# Altium PCB Cubli_Control_Board.PcbDoc (part 2 of 2)
Units mil, origin at the board's own origin, x right, y up, seen from the top; angles counter-clockwise.
Board outline 2755.91 x 2755.91 mil, 4 copper layers (Top Layer, VCC, GND, Bottom Layer), stack 30.635 mil thick; 150 components, 118 nets, 570 pads, 427 vias.
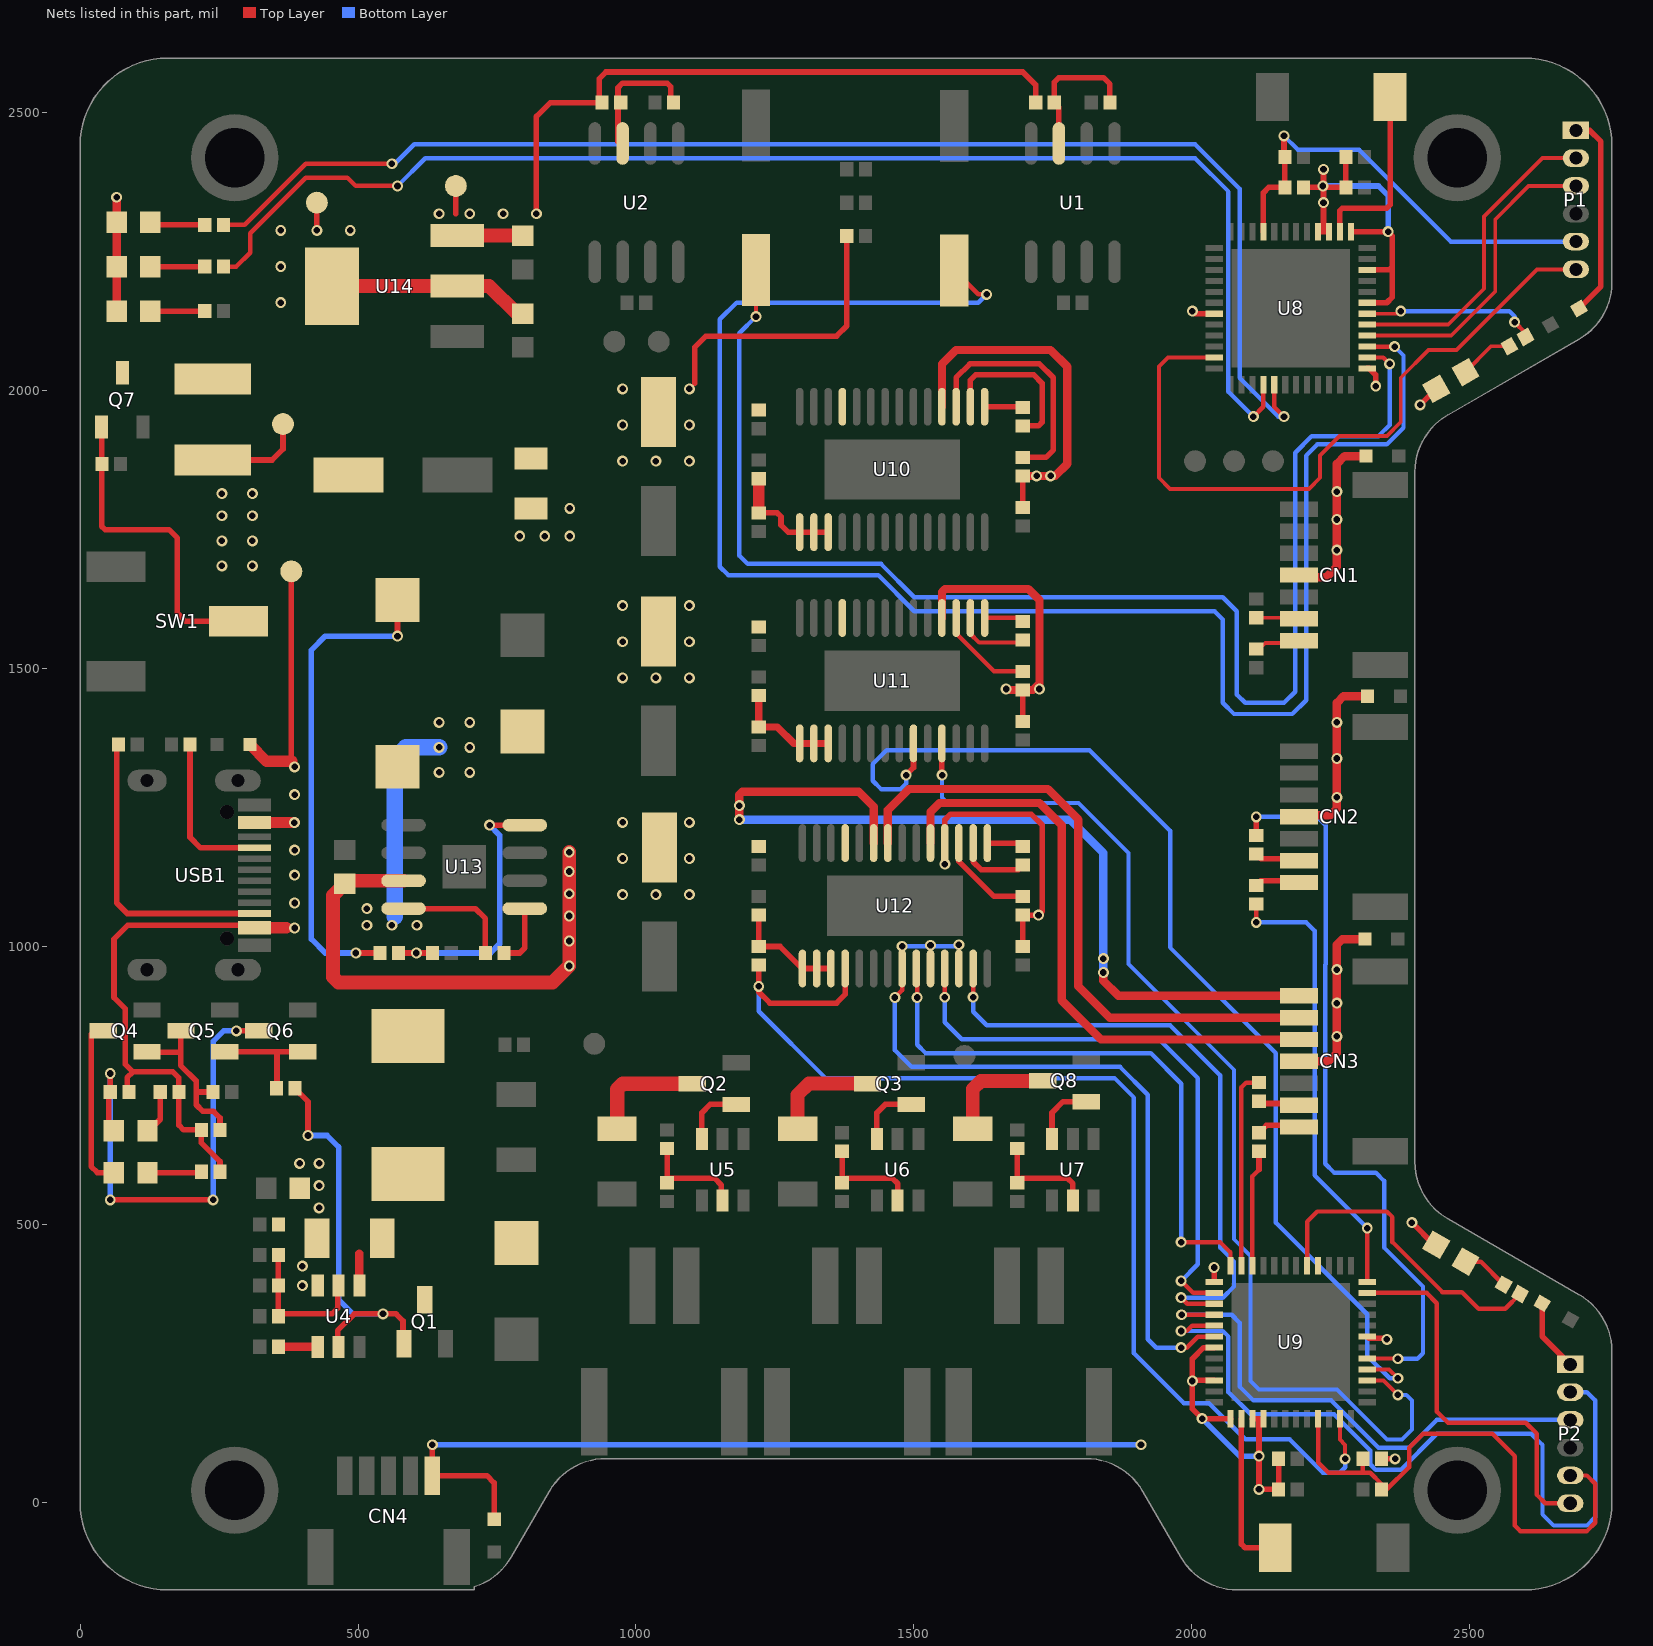
[diagram p4: the nets of this part, all layers, seen from the top]

## Via types
v1: diameter 19.68, hole 11.81, Top Layer to Bottom Layer, tented both sides, 307 vias
v2: diameter 23.62, hole 11.81, Top Layer to Bottom Layer, tented both sides, 98 vias
v3: diameter 24.02, hole 12, Top Layer to Bottom Layer, tented both sides, 18 vias
v4: diameter 24, hole 12, Top Layer to Bottom Layer, 4 vias

## Nets (pads, with @x,y where several pads share a name; then routed paths per layer and width w, separated by ;. In a path a pad name is that pad's centre, name@x,y a point inside that pad or via, vN(x,y) a via of type N, cw(c..) or ccw(c..) an arc to the next point about the centre after c; other vN are vias at no path point) (continued)
M2_PWM_IN2: U9.15 U11.25 | length 2004.1
  Top Layer w7: U9.15@2315.8,219.47 2344.89,219.47 v1(2371,193.36)
  Top Layer w10: U11.25@1550.57,1365.53 1550.57,1307.93 v1(1551,1308.36)
  Bottom Layer w7: v1(1551,1308.36) 1551,1268.36 1561,1258.36 1796,1258.36 1886,1168.36 1886,968.36 2076,778.36 2076,473.36 2106,443.36 2106,218.36 2121,203.36 2261,203.36 2351,113.36 2378.36,113.36 2396,131 2396,183.36 2386,193.36 v1(2371,193.36)
M2_PWM_IN3: U9.16 U11.23 | length 2008.9
  Top Layer w7: U9.16@2315.79,239.16 2355.2,239.16 v1(2371,223.36)
  Top Layer w10: v1(1486,1308.36) 1499.39,1321.75 U11.23@1499.39,1365.53
  Bottom Layer w8: v1(1486,1308.36) 1486,1293.36 1476,1283.36 1441,1283.36 1426,1298.36 1426,1328.36 1451,1353.36 1816,1353.36 1961,1208.36 1961,998.36 2151,808.36 2151,503.36 2316,338.36 2316,263.36 2356,223.36 v1(2371,223.36)
M2_SCL: R8.1 U9.17 | length 1336.2
  Top Layer w7: U9.17@2315.8,258.84 2370.52,258.84 v1(2371,258.36)
  Top Layer w10: R8.1@2116,1200.09 v1(2116,1233.36)
  Bottom Layer w8: v1(2116,1233.36) 2226,1233.36 2241,1218.36 2241,967.93 2240.09,967.02 2240.09,609.27 2256,593.36 2331,593.36 2346,578.36 2346,458.36 2416,388.36 2416,268.36 2406,258.36 v1(2371,258.36)
M2_SDA: R7.1 U9.24 | length 815.5
  Top Layer w8: v1(2116,1043.36) R7.1@2116,1076.63 ; U9.24@2315.79,396.64 v1(2315.79,493.36)
  Bottom Layer w8: v1(2116,1043.36) 2206,1043.36 2221,1028.36 2221,588.36 2315.79,493.57 v1(2315.79,493.36)
M3_FAULT: R41.1 U9.11 U12.18 | length 2073.6
  Top Layer w7: U9.11@2266.58,150.56 2266.58,112.78 2276,103.36 v1(2276,78.36)
  Top Layer w10: R41.1@1221,966.63 1221,918.36 1241,898.36 1361,898.36 1376.43,913.79 U12.18@1376.43,960.53
  Bottom Layer w8: v1(1221,928.36) 1221,883.36 1341,763.36 1861,763.36 1896,728.36 1896,268.36 1986,178.36 2031,178.36 2096,113.36 2176,113.36 2236,53.36 2266,53.36 2276,63.36 v1(2276,78.36)
M3_POUT_A1: CN3.5 U12.5 | length 1086.6
  Top Layer w15: U12.5@1529.98,1186.18 1529.98,1242.34 1546,1258.36 1726,1258.36 1766,1218.36 1766,903.36 1836.64,832.72 CN3.5@2192.96,832.72
M3_POUT_A2: CN3.6 U12.8 | length 1160.9
  Top Layer w15: U12.8@1453.2,1186.18 1453.2,1245.57 1491,1283.36 1741,1283.36 1796,1228.36 1796,928.36 1852.27,872.09 CN3.6@2192.96,872.09
M3_POUT_A3: CN3.7 U12.9 | length 1638.2
  Top Layer w15: v1(1186,1228.36) v1(1186,1253.36) 1186,1273.36 1191,1278.36 1401,1278.36 1427.61,1251.75 U12.9@1427.61,1186.18 ; v1(1841,953.36) 1841,938.36 1867.9,911.46 CN3.7@2192.96,911.46
  Bottom Layer w15: v1(1186,1228.36) 1781,1228.36 1841,1168.36 v1(1841,978.36) v1(1841,953.36)
M3_PWM_EN: U9.42 U12.22 U12.24 U12.26 | length 1354
  Top Layer w8: v1(1466,908.36) 1478.8,921.16 U12.22@1478.8,960.53 v1(1478.8,1000.57) ; v1(1981,278.36) 1991,278.36 2010.84,298.21 U9.42@2040.21,298.21
  Bottom Layer w8: v1(1466,908.36) 1466,813.36 1496,783.36 1871,783.36 1921,733.36 1921,293.36 1936,278.36 v1(1981,278.36) ; v1(1478.8,1000.57) v1@1578.52,1000.57
  other v1: 1529.98,1002.34 1581.16,1003.2
M3_PWM_IN1: U9.39 U12.27 | length 1126.9
  Top Layer w8: v1(1606.75,909.11) U12.27@1606.75,960.53 ; v1(1981,368.36) 1992.09,357.27 U9.39@2040.2,357.27
  Bottom Layer w8: v1(1606.75,909.11) 1606.75,882.61 1631,858.36 1961,858.36 2051,768.36 2051,458.36 2076,433.36 2076,388.36 2056,368.36 v1(1981,368.36)
M3_PWM_IN2: U9.38 U12.25 | length 1039.3
  Top Layer w8: v1(1555.57,908.79) U12.25@1555.57,960.53 ; v1(1981,398.36) 2002.42,376.95 U9.38@2040.21,376.95
  Bottom Layer w8: v1(1555.57,908.79) 1555.57,863.79 1586,833.36 1941,833.36 2011,763.36 2011,428.36 v1(1981,398.36)
M3_PWM_IN3: U9.36 U12.23 | length 1046.8
  Top Layer w8: U12.23@1504.39,960.53 1506,958.92 v1(1506,908.36) ; v1(1981,468.36) 2051,468.36 2069.73,449.63 U9.36@2069.73,426.15
  Bottom Layer w8: v1(1506,908.36) 1506,823.36 1521,808.36 1926,808.36 1981,753.36 v1(1981,468.36)
M3_SCL: R10.1 U9.35 | length 355.6
  Top Layer w8: U9.35@2089.42,426.15 2089.42,746.78 2097.73,755.09 R10.1@2121,755.09
M3_SDA: R9.1 U9.34 | length 210.4
  Top Layer w8: U9.34@2109.1,426.15 2109.1,586.46 2121,598.36
  Top Layer w10: 2121,598.36 R9.1@2121,631.63
MCU1_EN: C20.2 P1.5 R31.2 U8.9 | length 817.5
  Top Layer w10: U8.9@2128.79,2286.16 2128.79,2356.15 2138.36,2365.72 R31.2@2167.46,2365.72 C20.2@2167.46,2420.72 ; C20.2@2166,2422.18 v1(2166,2458.36)
  Bottom Layer w8: v1(2166,2458.36) 2191,2433.36 2301,2433.36 2466,2268.36 P1.5@2691,2268.36 P1.5@2701,2268.36
MCU1_IO0: P1.6 U8.23 | length 1308.2
  Top Layer w7: U8.23@2040.21,2059.77 1957.41,2059.77 1941,2043.36 1941,1843.36 1961,1823.36 2211,1823.36 2231,1843.36 2231,1883.36 2266,1918.36 2351,1918.36 2376,1943.36 2376,2023.36 2426,2073.36 2476,2073.36 2621,2218.36 P1.6@2701,2218.36
MCU1_IO9: R33.2 U8.28 | length 2435
  Top Layer w8: R33.2@257.73,2223.36 281,2223.36 306,2248.36 306,2283.36 406,2383.36 481,2383.36 496,2368.36 v1(571,2368.36) ; v1(2111,1953.36) 2128.8,1971.16 U8.28@2128.8,2010.57
  Bottom Layer w8: v1(571,2368.36) 621,2418.36 2006,2418.36 2066,2358.36 2066,1998.36 v1(2111,1953.36)
MCU1_IO10: R32.2 U8.29 | length 2434.9
  Top Layer w8: R32.2@257.73,2298.36 296,2298.36 406,2408.36 521,2408.36 v1(561,2408.36) ; U8.29@2148.47,2010.57 2148.47,1970.89 v1(2166,1953.36)
  Bottom Layer w8: v1(561,2408.36) 566,2408.36 601,2443.36 2006,2443.36 2086,2363.36 2086,2023.36 2156,1953.36 v1(2166,1953.36)
MCU1_IO21: R34.2 U8.42 | length 313.9
  Top Layer w7: U8.42@2315.8,2138.52 v1@2375.84,2138.52
  Top Layer w8: v1(2581,2123.36) 2600.49,2103.87 R34.2@2600.49,2096.73
  Bottom Layer w8: v1(2376,2143.36) 2571,2143.36 2581,2133.36 v1(2581,2123.36)
MCU1_RXD: P1.3 U8.40 | length 572.9
  Top Layer w7: U8.40@2315.8,2099.15 2466.79,2099.15 2546,2178.36 2546,2308.36 2606,2368.36 P1.3@2701,2368.36
MCU1_SW1: SW2.1 U8.39 | length 3120
  Top Layer w8: SW2.1@1573,2216.44 1616.08,2173.36 v1(1631,2173.36) ; U8.39@2315.8,2079.46 v1(2364.91,2079.46)
  Bottom Layer w8: v1(1631,2173.36) 1616,2158.36 1181,2158.36 1151,2128.36 1151,1683.36 1166,1668.36 1436,1668.36 1501,1603.36 2041,1603.36 2056,1588.36 2056,1438.36 2076,1418.36 2181,1418.36 2206,1443.36 2206,1883.36 2226,1903.36 2351,1903.36 2381,1933.36 2381,2063.36 v1(2364.91,2079.46)
MCU1_SW2: SW3.1 U8.38 | length 2508.1
  Top Layer w8: v1(1216,2133.36) SW3.1@1216,2217.44 ; U8.38@2315.8,2059.78 2344.59,2059.78 v1(2356,2048.36)
  Bottom Layer w8: v1(1216,2133.36) 1186,2103.36 1186,1703.36 1201,1688.36 1441,1688.36 1501,1628.36 2056,1628.36 2081,1603.36 2081,1453.36 2096,1438.36 2166,1438.36 2186,1458.36 2186,1888.36 2216,1918.36 2336,1918.36 2356,1938.36 v1(2356,2048.36)
MCU1_TXD: P1.2 U8.41 | length 585.4
  Top Layer w7: U8.41@2315.8,2118.83 2461.46,2118.83 2526,2183.36 2526,2313.36 2631,2418.36 P1.2@2701,2418.36
MCU2_EN: C24.2 P2.5 R37.2 U9.9 | length 961
  Top Layer w8: U9.9@2227.21,150.56 2227.21,72.15 2246,53.36 2321,53.36 2341.47,32.89 C24.2@2341.47,23.36 2351,23.36 2391,63.36 2391,98.36 2416,123.36 2541,123.36 2581,83.36 2581,-41.64 2591,-51.64 2711,-51.64 2726,-36.64 2726,33.36 2711,48.36 P2.5@2681,48.36 ; 2308,55.37 R37.2@2308,78.36
MCU2_IO0: P2.6 U9.23 | length 700.7
  Top Layer w8: U9.23@2315.8,376.95 2422.41,376.95 2441,358.36 2441,163.36 2461,143.36 2601,143.36 2621,123.36 2621,13.36 2636,-1.64 P2.6@2681,-1.64
MCU2_IO9: U9.28
MCU2_IO10: R38.2 U9.29 | length 579.2
  Top Layer w8: U9.29@2207.53,426.15 2207.53,504.89 2226,523.36 2351,523.36 2361,513.36 2361,468.36 2451,378.36 2486,378.36 2516,348.36 2563.86,348.36 R38.2@2590.49,374.99
MCU2_RXD: P2.3 U9.40 | length 944.8
  Top Layer w8: v1(1981.79,337.58) U9.40@2040.21,337.58
  Bottom Layer w8: v1(1981.79,337.58) 2071.79,337.58 2086,323.36 2086,208.36 2111,183.36 2251,183.36 2336,98.36 2391,98.36 2441,148.36 P2.3@2681,148.36
MCU2_TXD: P2.2 U9.41 | length 1420.8
  Top Layer w8: v1(1981,308.36) 1991,308.36 2000.54,317.9 U9.41@2040.2,317.9
  Bottom Layer w8: v1(1981,308.36) 2056,308.36 2066,298.36 2066,198.36 2106,158.36 2256,158.36 2321,93.36 2321,68.36 2331,58.36 2376,58.36 2441,123.36 2611,123.36 2631,103.36 2631,-21.64 2651,-41.64 2711,-41.64 2726,-26.64 2726,183.36 2711,198.36 P2.2@2681,198.36
NetC11_2: C11.2 R16.1 R19.2 U4.2 | length 246.9
  Top Layer w10: C11.2@356.73,335 R16.1@356.73,445 ; C11.2@360.73,339 453.36,339 463.35,348.99 U4.2@463.35,379.12
NetC12_2: C12.2 U4.4 | length 70.7
  Top Layer w15: C12.2@356.73,280 U4.4@427.47,280
NetC13_2: C13.2 R18.1 U5.2 | length 192.9
  Top Layer w10: R18.1@1056,575.09 C13.2@1056,636.63 ; R18.1@1056,583.36 1141.01,583.36 1153.58,570.8 1153.58,545.67 U5.2@1156.01,543.24
NetC14_1: C14.1 D5.K Q6.3 | length 886.5
  Top Layer w10: D5.K@51.27,675.78 C14.1@51.27,741.36 ; v1(54.27,544.27) v1(239.27,544.27) ; C14.1@54.27,738.36 v1(54.27,771.63) ; v1(281,848.36) Q6.3@321.63,848.36
  Bottom Layer w10: v1(54.27,544.27) v1(54.27,771.63) ; v1(239.27,544.27) 239.27,829.27 258.36,848.36 v1(281,848.36)
NetC15_2: C15.2 Q4.1 Q5.3 R23.1 | length 305.1
  Top Layer w10: Q4.1@119.37,809.96 181,809.96 ; Q5.3@181,847.73 181,809.96 ; 214,738.36 C15.2@239.27,738.36 ; R23.1@251.73,670 251.73,691.63 240,703.36 221,703.36 209,715.36 209,758.36 181,786.36 181,809.96
NetC16_2: C16.2 R24.1 U6.2 | length 194.2
  Top Layer w10: C16.2@1371,631.63 R24.1@1371,575.09 1379.27,583.36 1461,583.36 1471.01,573.35 U6.2@1471.01,543.24
NetC17_2: C17.2 R27.1 U7.2 | length 187.5
  Top Layer w10: R27.1@1686,575.09 C17.2@1686,636.63 ; R27.1@1694.27,583.36 1776,583.36 1786.01,573.35 U7.2@1786.01,543.24
NetC25_1: C25.1 U10.2 | length 295
  Top Layer w10: U10.2@1601.75,1971.18 1601.75,2019.11 1611,2028.36 1716,2028.36 1731,2013.36 1731,1943.36 1724.27,1936.63 C25.1@1696,1936.63
NetC25_2: C25.2 U10.1 | length 67.6
  Top Layer w10: U10.1@1627.34,1971.18 C25.2@1694.91,1971.18
NetC26_2: C26.2 U10.3 | length 438.3
  Top Layer w10: U10.3@1576.16,1971.18 1576.16,2023.52 1601,2048.36 1726,2048.36 1751,2023.36 1751,1893.36 1737.73,1880.09 C26.2@1696,1880.09
NetC30_2: C30.2 R39.2 U10.15 U10.16 U10.17 | length 209.5
  Top Layer w10: R39.2@1221,1780.09 1254.27,1780.09 1261,1773.36 1261,1758.36 1273.83,1745.53 U10.15@1294.66,1745.53 U10.16@1320.25,1745.53 U10.17@1345.84,1745.53
  Top Layer w20: R39.2@1221,1780.09 C30.2@1221,1841.63
NetC31_1: C31.1 U11.2 | length 131.2
  Top Layer w8: U11.2@1601.75,1591.18 1601.75,1562.61 1617.33,1547.03 1691.4,1547.03 C31.1@1696,1551.63
NetC31_2: C31.2 U11.1 | length 62.6
  Top Layer w8: U11.1@1627.34,1591.18 C31.2@1689.91,1591.18
NetC32_2: C32.2 U11.3 | length 176
  Top Layer w8: U11.3@1576.16,1591.18 1576.16,1563.2 1644.27,1495.09 C32.2@1696,1495.09
NetC36_2: C36.2 R40.2 U11.15 U11.16 U11.17 | length 193.6
  Top Layer w13: C36.2@1221,1451.63 R40.2@1221,1395.09 1254.27,1395.09 1283.83,1365.53 U11.15@1294.66,1365.53 U11.16@1320.25,1365.53 U11.17@1345.84,1365.53
NetC37_1: C37.1 U12.2 | length 132.1
  Top Layer w10: U12.2@1606.75,1186.18 1606.75,1152.61 1621,1138.36 1687.73,1138.36 C37.1@1696,1146.63
NetC37_2: C37.2 U12.1 | length 57.6
  Top Layer w10: U12.1@1632.34,1186.18 C37.2@1689.91,1186.18
NetC38_2: C38.2 U12.3 | length 174
  Top Layer w10: U12.3@1581.16,1186.18 1581.16,1153.2 1644.27,1090.09 C38.2@1696,1090.09
NetC42_2: C42.2 R41.2 U12.15 U12.16 U12.17 | length 202.8
  Top Layer w10: C42.2@1221,1056.63 R41.2@1221,1000.09 1259.27,1000.09 1298.83,960.53 U12.15@1299.66,960.53 U12.16@1325.25,960.53 U12.17@1350.84,960.53
NetC43_1: C43.1 U13.1 | length 112
  Top Layer w10: C43.1@762.73,988.36 791,988.36 800.02,997.38 U13.1@800.02,1068.36
NetC43_2: C43.2 D14.1 L4.1 U13.8 | length 589.9
  Top Layer w10: U13.8@581.98,1068.36 711,1068.36 729.27,1050.09 C43.2@729.27,988.36
  Bottom Layer w30: 566,1053.36 566,1338.36 586,1358.36 v1(646,1358.36)
  other v1: 516,1038.36 561,1038.36 606,1038.36 516,1068.36 646,1313.36 701,1313.36 701,1358.36 646,1403.36 701,1403.36
NetC45_1: C45.1 F2.1 L4.2 R42.2 | length 884
  Top Layer w10: v1(496,988.36) R42.2@539.27,988.36 ; v1(571,1558.36) L4.2@571,1623.36
  Bottom Layer w10: v1(496,988.36) 441,988.36 416,1013.36 416,1533.36 441,1558.36 v1(571,1558.36)
NetCN1_1: CN1.1 R5.2 | length 80.6
  Top Layer w7: R5.2@2121,1535.09 2132.15,1546.24 CN1.1@2196.96,1546.24
NetCN1_2: CN1.2 R6.2 | length 69.9
  Top Layer w7: R6.2@2121,1591.63 CN1.2@2190.95,1591.63
NetCN2_1: CN2.1 R7.2 | length 84.3
  Top Layer w10: R7.2@2116,1110.09 2124.15,1118.24 CN2.1@2196.96,1118.24
NetCN2_2: CN2.2 R8.2 | length 84.7
  Top Layer w10: R8.2@2116,1166.63 2125.02,1157.61 CN2.2@2196.96,1157.61
NetCN3_1: CN3.1 R9.2 | length 81.4
  Top Layer w10: R9.2@2121,665.09 2134.15,678.24 CN3.1@2196.96,678.24
NetCN3_2: CN3.2 R10.2 | length 77.6
  Top Layer w10: R10.2@2121,721.63 2125.02,717.61 CN3.2@2196.96,717.61
NetD4_2: D4.2@785,466.62 L1.2 Q1.3
NetD5_A: D5.A R22.2 | length 83.5
  Top Layer w10: D5.A@121.32,666.36 144.27,689.31 R22.2@144.27,740.36
NetD6_A: D6.A R20.1 | length 101
  Top Layer w10: D6.A@124.32,593.36 R20.1@225.27,593.36
NetD6_K: D6.K Q4.3 | length 286.2
  Top Layer w10: Q4.3@20,842.36 20,604.36 31,593.36 D6.K@63.69,593.36
NetD9_K: D9.K R32.1 | length 93
  Top Layer w10: D9.K@131.31,2298.36 R32.1@224.27,2298.36
NetD10_K: D10.K R33.1 | length 98
  Top Layer w10: D10.K@126.31,2223.36 R33.1@224.27,2223.36
NetD11_K: D11.K R34.1 | length 98.5
  Top Layer w7: D11.K@2492.25,2033.52 2538.73,2079.99 R34.1@2571.51,2079.99
NetD13_K: D13.K R38.1 | length 86.4
  Top Layer w8: D13.K@2492.25,433.2 2520.03,433.2 R38.1@2561.51,391.73
NetD15_K: D15.K R44.2 | length 98
  Top Layer w10: D15.K@126.31,2143.36 R44.2@224.27,2143.36
NetF1_2: F1.2 Q7.3
NetL1_1: L1.1 R17.2 U4.1 | length 57.5
  Top Layer w15: U4.1@502.39,390.12 502.39,447.61
NetL2_1: L2.1 U8.2 | length 326.5
  Top Layer w10: U8.2@2266.58,2286.16 2266.58,2323.94 2271,2328.36 2351,2328.36 2356.91,2334.27 L2.1@2356.91,2528.36
NetL3_1: L3.1 U9.2 | length 289
  Top Layer w10: U9.2@2089.42,150.56 2089.42,-75.06 2096,-81.64 L3.1@2150.09,-81.64
NetQ1_1: Q1.1 R25.2 U4.5 | length 740.9
  Top Layer w10: R25.2@386,745.09 410,721.09 v1(410,660) ; U4.5@463.35,268.88 463.35,308.99 493.36,339 v1(545,339) 568.36,339 580.96,326.4 Q1.1@580.96,284.63
  Bottom Layer w10: v1(410,660) 444.36,660 465,639.36 465,365 491,339 v1(545,339)
NetQ2_1: Q2.1 U5.6 | length 115.5
  Top Layer w10: U5.6@1118.61,653.48 1118.61,700.97 1133.6,715.96 Q2.1@1180.37,715.96
NetQ2_3: Q2.3 R15.1 | length 211.1
  Top Layer w26: R15.1@966,672.02 966,743.36 976,753.36 Q2.3@1101.63,753.36
NetQ3_1: Q3.1 U6.6 | length 115.5
  Top Layer w10: U6.6@1433.61,653.48 1433.61,700.97 1448.6,715.96 Q3.1@1495.37,715.96
NetQ3_3: Q3.3 R21.1 | length 195.3
  Top Layer w25: R21.1@1291,672.02 1291,733.36 1311,753.36 Q3.3@1416.63,753.36
NetQ5_1: Q5.1 Q6.1 R25.1 | length 208.3
  Top Layer w10: Q5.1@260.37,810.96 Q6.1@399.37,810.96 ; R25.1@354.27,738.36 354.27,807.69
NetQ7_1: Q7.1 R30.1 SW1.2 | length 574.1
  Top Layer w10: Q7.1@39.27,1934.07 R30.1@39.27,1868.36 39.27,1755.73 45,1750 160,1750 175,1735 175,1600 190,1585 SW1.2@285.24,1585
NetQ8_1: Q8.1 U7.6 | length 117.5
  Top Layer w10: U7.6@1748.61,653.48 1748.61,700.97 1768.6,720.96 Q8.1@1810.37,720.96
NetQ8_3: Q8.3 R26.1 | length 203.2
  Top Layer w25: R26.1@1606,672.02 1606,743.36 1621,758.36 Q8.3@1731.63,758.36
NetR28_1: R28.1 USB1.A5 | length 290.4
  Top Layer w10: R28.1@197.73,1363.36 197.73,1196.63 216.79,1177.57 USB1.A5@313.51,1177.57
NetR29_1: R29.1 USB1.B5 | length 535.3
  Top Layer w10: R29.1@66,1358.36 66,1078.36 84.9,1059.46 USB1.B5@313.51,1059.46
NetR42_1: R42.1 R43.2 U13.4 | length 502.8
  Top Layer w10: R42.1@567.73,988.36 R42.1@572.73,988.36 v1(605,988.36) R43.2@629.27,988.36 ; v1(736.64,1218.36) U13.4@800.02,1218.36
  Bottom Layer w10: v1(605,988.36) 738.36,988.36 755,1005 755,1200 v1(736.64,1218.36)
USB_VBUS: C9.2 C10.2 C14.2 D7.2 R17.1 R20.2 R22.1 R23.2 TP4.1 U4.3 USB1.A4B9 USB1.B4A9 | length 1421.5
  Top Layer w10: C14.2@84.73,741.36 84.73,764.09 95,774.36 ; R20.2@251.73,595 251.73,613.27 218.27,646.73 R23.2@218.27,670 186.36,670 177.73,678.63 R22.1@177.73,738.36 177.73,763.63 167,774.36 95,774.36 ; USB1.B4A9@313.51,1033.87 313.51,1038.44 86.08,1038.44 61,1013.36 61,908.36 81,888.36 81,788.36 95,774.36 ; 380,1334.36 TP4.1@380,1675
  Top Layer w20: D7.2@305.53,1363.36 335.53,1333.36 381,1333.36 ; USB1.B4A9@313.51,1033.87 371.51,1033.87 ; USB1.A4B9@313.51,1222.85 v1(385.49,1222.85)
  other v1: 400,390 400,425 430,530 430,570 395,610 430,610 386,1033.36 386,1078.36 386,1128.36 386,1173.36 386,1273.36 386,1323.36
VCC_3V3: C18.2 C19.2 C22.2 C23.2 C47.2 CN1.4 CN2.4 CN3.4 CN4.5 D1.1 D2.1 D3.1 D4.1@745,-30.47 D8.2 D9.A D10.A D11.A D12.2 D13.A D15.A P1.1 P2.1 R31.1 R37.1 TP20.1 U8.1 U8.3 U8.4 U8.19 U8.37 U8.43 U8.46 U9.1 U9.3 U9.4 U9.19 U9.37 U9.43 U9.46 U14.2 U14.4 | length 5264.1
  Top Layer w10: v1(426,2288.36) TP20.1@426,2338.36 ; v1(633.72,103.72) CN4.5@633.72,48.03 731.97,48.03 745,35 D4.1@745,-30.47 ; v1@2006.15,2138.51 U8.19@2040.21,2138.51 ; U9.46@2040.21,219.47 2004.89,219.47 v1@2001,223.36 ; U9.43@2040.2,278.53 2021.17,278.53 2001,258.36 v1@2001,223.36 ; U9.37@2040.2,396.64 v1(2040.2,422.56) ; U9.1@2069.73,150.56 v1(2018.8,150.56) 2001,168.36 v1@2001,223.36 ; U9.3@2109.1,150.56 2121,150.56 v1(2121,83.36) v1(2121,23.36) C23.2@2156.27,23.36 C22.2@2156.27,78.36 ; R31.1@2200.92,2365.72 v1@2237.06,2365.72 ; U8.4@2227.21,2286.16 2237.06,2286.16 ; v1(2237.06,2398.36) v1@2237.06,2365.72 ; U8.3@2246.9,2286.16 2237.06,2286.16 ; C19.2@2277.46,2420.72 C18.2@2277.46,2365.72 v1@2237.06,2365.72 ; U8.1@2286.27,2286.16 v1(2353.2,2286.16) 2361,2278.36 2361,2223.36 ; U9.19@2315.8,298.21 2318.9,295.1 2349.26,295.1 v1(2351,293.36) ; U8.37@2315.8,2040.09 2319.28,2040.09 2331,2028.36 v1(2331,2008.36) ; U8.43@2315.8,2158.2 2350.84,2158.2 2361,2168.36 2361,2223.36 ; U8.46@2315.8,2217.26 2354.89,2217.26 2361,2223.36 ; R37.1@2341.47,78.36 v1(2366,78.36) ; v1(2396,503.36) 2435.84,463.52 D13.A@2439.75,463.52 ; v1(2411,1974.46) D11.A@2439.75,2003.2 ; D12.2@2630.43,358.12 2630.43,298.93 P2.1@2681,248.36 ; P1.1@2691,2468.36 2716,2468.36 2736,2448.36 2736,2187.55 D8.2@2696.57,2148.12 ; 2237.06,2286.16 v1(2237.06,2338.36) v1@2237.06,2365.72
  Top Layer w15: D15.A@65.68,2143.36 D10.A@65.68,2223.36 D9.A@65.68,2303.36 v1(65.68,2348.05) ; CN3.4@2192.96,793.35 2245.99,793.35 2261,808.36 2261,1003.36 2271,1013.36 D3.1@2311.47,1013.36 ; CN2.4@2196.96,1236.35 2248.99,1236.35 2261,1248.36 2261,1438.36 2273,1450.36 D2.1@2316.47,1450.36 ; CN1.4@2196.96,1664.35 2241.99,1664.35 2261,1683.36 2261,1868.36 2275,1882.36 D1.1@2313.47,1882.36
  Top Layer w25: U14.4@453.5,2188.36 U14.2@678.5,2188.36 736,2188.36 785.68,2138.68 C47.2@796,2138.68
  Bottom Layer w10: v1(633.72,103.72) v1(1908.72,103.72) ; v1(2018.8,150.56) 2086,83.36 v1(2121,83.36) v1(2121,23.36) ; v1(2236,2368.36) 2336,2368.36 2353.2,2351.16 v1(2353.2,2286.16)
  other v1: 2001,218.36 2261,838.36 2261,898.36 2261,958.36 2261,1268.36 2261,1338.36 2261,1403.36 2261,1713.36 2261,1768.36 2261,1818.36 2001,2143.36 361,2158.36 361,2223.36 361,2288.36 486,2288.36
VCC_5V: C46.2 F2.2 R1.1 R3.1 TP19.1 U14.3 | length 1330.4
  Top Layer w10: 676,2318.36 TP19.1@676,2368.36 ; 821,2328.36 821,2493.36 846,2518.36 934.27,2518.36 934.27,2561.63 946,2573.36 1696,2573.36 1719.27,2550.09 R1.1@1719.27,2518.36
  Top Layer w25: U14.3@678.5,2278.91 C46.2@795.76,2278.91
  other v1: 791,1738.36 836,1738.36 881,1738.36 881,1788.36 646,2318.36 701,2318.36 761,2318.36 821,2318.36
VCC_12V: C26.1 C27.2 C28.1 C29.2 C32.1 C33.2 C34.1 C35.2 C38.1 C39.2 C40.1 C41.2 C44.1 F1.1 R35.2 TP18.1 U10.4 U10.11 U11.4 U11.11 U12.4 U12.11 U13.7 | length 3296.6
  Top Layer w10: F1.1@239,1875.39 345.39,1875.39 365,1895 TP18.1@365,1940 ; 1106,2013.36 1106,2078.36 1126,2098.36 1361,2098.36 1379.27,2116.63 R35.2@1379.27,2278.36 ; v1(1556,1148.36) 1555.57,1148.79 U12.4@1555.57,1186.18 1555.57,1227.93 1566,1238.36 1711,1238.36 1731,1218.36 1731,1063.36 v1(1724.27,1056.63) C38.1@1696,1056.63 C39.2@1696,1000.09 ; C33.2@1696,1405.09 C32.1@1696,1461.63 ; C27.2@1696,1785.09 C27.2@1696,1790.09 C26.1@1696,1846.63
  Top Layer w15: U11.4@1550.57,1591.18 1550.57,1637.93 1556,1643.36 1706,1643.36 1726,1623.36 1726,1473.36 1714.27,1461.63 C32.1@1696,1461.63 v1@1667.73,1461.63 ; U10.4@1550.57,1971.18 1550.57,2047.93 1576,2073.36 1746,2073.36 1776,2043.36 1776,1868.36 1754.27,1846.63 C26.1@1696,1846.63
  Top Layer w25: U13.7@581.98,1118.36 481.32,1118.36 C44.1@476,1113.05 455,1092.05 455,945 465,935 850,935 v1(880,965) v1(880,1170)
  other v1: 880,1010 880,1055 976,1093.36 1036,1093.36 1096,1093.36 880,1095 880,1135 976,1158.36 1096,1158.36 976,1223.36 1096,1223.36 1666,1463.36 1726,1463.36 976,1483.36 1036,1483.36 1096,1483.36 976,1548.36 1096,1548.36 976,1613.36 1096,1613.36 255,1685 310,1685 255,1730 310,1730 255,1775 310,1775 255,1815 310,1815 1721,1846.63 1746,1846.63 976,1873.36 1036,1873.36 1096,1873.36 976,1938.36 1096,1938.36 976,2003.36 1096,2003.36
VCC_CAN1: C1.2 R1.2 U1.3 | length 243.5
  Top Layer w10: R1.2@1752.73,2518.36 1752.73,2555.09 1761,2563.36 1841,2563.36 1852.73,2551.63 C1.2@1852.73,2518.36 ; U1.3@1761,2444.86 R1.2@1761,2510.09
VCC_CAN2: C2.2 R3.2 U2.3 | length 238.1
  Top Layer w10: U2.3@976,2439.86 967.73,2448.13 967.73,2518.36 967.73,2545.09 976,2553.36 1056,2553.36 1062.73,2546.63 C2.2@1062.73,2518.36
pads on no net: L2.2 L3.2 PH1.0 PH2.0 PH3.0 SW1.3 U1.5 U2.5 U5.1 U5.4 U5.5 U6.1 U6.4 U6.5 U7.1 U7.4 U7.5 U8.6 U8.7 U8.8 U8.11 U8.12 U8.18 U8.22 U8.25 U8.26 U8.27 U8.30 U8.31 U8.32 U8.33 U8.44 U8.45 U8.47 U8.48 U9.5 U9.6 U9.7 U9.8 U9.12 U9.18 U9.22 U9.25 U9.26 U9.27 U9.30 U9.31 U9.32 U9.33 U9.44 U9.45 U9.47 U9.48 U13.2 U13.3 U13.5 USB1. USB1.A6 USB1.A7 USB1.A8 USB1.B6 USB1.B7 USB1.B8

## Polygon pours and split planes (outlines as drawn)
GND on Top Layer "Top Overlay-No Net" (solid, remove dead copper, pour order 4): -60,2660 -60,-160 -30,-190 5,-225 2640,-225 2695,-225 2860,-60 2810,-10 2810,2600 2790,2600 2715,2675 2695,2655 -70,2655
GND on Bottom Layer "Top Overlay-No Net" (solid, remove dead copper, pour order 6): -100,2680 -100,-80 -65,-115 85,-265 645,-265 2790,-265 2885,-170 2910,-145 2910,2340 2910,2575 2805,2680 2800,2675 -95,2675
VCC_12V on VCC (split plane): 1783.45,2047.3 1783.45,654.42 1729.94,600.91 1202.06,600.91 597.55,1205.42 597.55,1440 597.36,1440.98 596.8,1441.8 496.8,1541.8 495.98,1542.36 495,1542.55 216.06,1542.55 202.55,1556.06 202.55,1992.45 573.45,1992.45 573.45,1719 573.64,1718.02 574.2,1717.2 609.84,1681.56 610.66,1681.01 611.64,1680.81 886,1680.81 886.98,1681.01 887.8,1681.56 937.8,1731.56 938.36,1732.38 938.55,1733.36 938.55,2077.3 987.06,2125.81 1704.94,2125.81
VCC_5V on VCC (split plane): 983.45,2337.3 983.45,2129.42 934.2,2080.16 933.64,2079.34 933.45,2078.36 933.45,1734.42 884.94,1685.91 612.7,1685.91 578.55,1720.06 578.55,2332.3 617.06,2370.81 949.94,2370.81
BAT3+ on VCC (split plane): 197.45,1555 197.64,1554.02 198.2,1553.2 213.2,1538.2 214.02,1537.64 215,1537.45 493.94,1537.45 592.45,1438.94 592.45,1205.84 592.33,1205.66 592.13,1204.68 592.33,1203.7 592.88,1202.88 1198.45,597.3 1198.45,98.84 946.14,98.84 946.01,98.82 936.29,98.48 926.48,97.42 916.77,95.67 907.21,93.23 897.85,90.11 888.73,86.34 879.91,81.92 871.43,76.89 863.33,71.26 855.64,65.07 848.42,58.35 841.7,51.13 835.51,43.45 829.88,35.35 827.4,31.16 827.15,30.85 826.84,30.27 826.45,29.73 758.26,-88.38 758,-88.96 753.74,-95.64 748.53,-102.43 742.75,-108.74 736.44,-114.52 729.65,-119.73 722.43,-124.33 714.84,-128.28 706.93,-131.56 703.04,-132.79 703.07,-132.88 701.43,-133.38 697.96,-135.23 695.34,-137.38 692.55,-137.38 692.55,505 692.36,505.98 691.8,506.8 427.55,771.06 427.55,1395 427.36,1395.98 426.8,1396.8 396.8,1426.8 395.98,1427.36 395,1427.55 20.1,1427.55 20.1,1992.45 197.45,1992.45
USB_VBUS on VCC (split plane): 422.45,1393.94 422.45,770 422.64,769.02 423.2,768.2 687.45,503.94 687.45,-137.38 157.48,-137.38 156.85,-137.45 147.67,-137.12 137.92,-136.07 128.26,-134.33 118.75,-131.9 109.44,-128.8 100.37,-125.05 91.6,-120.65 83.16,-115.65 75.1,-110.05 67.46,-103.89 60.28,-97.2 53.59,-90.02 47.43,-82.38 41.84,-74.32 36.83,-65.88 32.44,-57.11 28.68,-48.04 25.58,-38.73 23.15,-29.22 21.41,-19.56 20.36,-9.81 20.03,-0.63 20.1,0 20.1,1422.45 393.94,1422.45
VCC_3V3 on VCC (split plane): 208 vertices, not listed, extent 20.03,-137.45 2735.87,2578.39
GND on GND (split plane): 239 vertices, not listed, extent 20.03,-137.45 2735.87,2578.39

## Keep-outs
Keep-Out Layer:
  lines w3.15: 0,0 ccw(c157.48,0) 157.48,-157.48 421.72,-157.48 709.12,-157.48 709.12,-151.94 ccw(c673.38,-39.37) 775.67,-98.43 843.86,19.69 cw(c946.14,-39.37) 946.14,78.74 1809.76,78.74 cw(c1809.76,-39.37) 1912.05,19.69 1980.24,-98.43 ccw(c2082.53,-39.37) 2082.53,-157.48 2598.43,-157.48 ccw(c2598.43,0) 2755.91,0 2755.91,271.57 ccw(c2637.8,271.57) 2696.85,373.85 2460.63,510.24 cw(c2519.69,612.52) 2401.58,612.52 2401.58,1843.65 2401.58,1854.09 cw(c2519.69,1854.09) 2460.63,1956.38 2696.85,2092.76 ccw(c2637.8,2195.05) 2755.91,2195.05 2755.91,2440.95 ccw(c2598.43,2440.95) 2598.43,2598.43 157.48,2598.43 ccw(c157.48,2440.95) 0,2440.95 0,930.69 0,0

## Other copper
Top Layer:
  rectangle net M2_POUT_A2: 2111,1308.36 2136,1328.36
  rectangle net M2_POUT_A3: 2111,1343.36 2136,1363.36
  rectangle net M2_POUT_A2: 1176,1613.36 1196,1638.36
  rectangle net GND: 1391,1523.36 1406,1618.36
  rectangle net VCC_12V: 1086,1568.36 1236,1593.36
  rectangle net GND: 1211,1473.36 1231,1543.36
  rectangle net GND: 1216,1503.36 1326,1533.36
  rectangle net GND: 1396,1333.36 1451,1433.36
  rectangle net GND: 1466,1518.36 1506,1623.36
  rectangle net GND: 1216,1888.36 1326,1918.36
  rectangle net GND: 1211,1868.36 1231,1938.36
  rectangle net VCC_12V: 1086,1953.36 1236,1978.36
  rectangle net GND: 1391,1908.36 1406,2003.36
  rectangle net GND: 1391,1713.36 1456,1808.36
  rectangle net GND: 1466,1903.36 1506,2008.36
  rectangle net BAT1+: 1421,353.36 1671,418.36
  rectangle net BAT2+: 1101,353.36 1346,418.36
  rectangle net GND: 1401,928.36 1456,1028.36
  rectangle net GND: 1216,1108.36 1326,1138.36
  rectangle net GND: 1211,1088.36 1231,1158.36
  rectangle net VCC_12V: 1091,1173.36 1241,1198.36
  rectangle net GND: 1396,1123.36 1411,1218.36
  rectangle net GND: 1471,1113.36 1511,1218.36
  rectangle net M3_POUT_A3: 1831,953.36 1851,978.36
  rectangle net GND: 630,175 675,310
  region net GND: 746,708.36 751,703.36 881,703.36 891,713.36 891,783.36 881,793.36 756,793.36 746,783.36
  region net VCC_12V: 1376,1553.36 1366,1553.36 1361,1558.36 1361,1628.36 1356,1633.36 1241,1633.36 1236,1628.36 1236,1588.36 1216,1588.36 1216,1643.36 1226,1653.36 1371,1653.36 1381,1643.36 1381,1628.36 1381,1558.36
  region net GND: 1286,1533.36 1316,1503.36 1351,1503.36 1351,1618.36 1346,1623.36 1291,1623.36 1286,1618.36
  region net VCC_12V: 1376,1938.36 1366,1938.36 1361,1943.36 1361,2013.36 1356,2018.36 1241,2018.36 1236,2013.36 1236,1973.36 1216,1973.36 1216,2028.36 1226,2038.36 1371,2038.36 1381,2028.36 1381,2013.36 1381,1943.36
  region net GND: 1286,1918.36 1316,1888.36 1351,1888.36 1351,2003.36 1346,2008.36 1291,2008.36 1286,2003.36
  region net VCC_12V: 956,2013.36 956,1863.36 966,1853.36 1106,1853.36 1116,1863.36 1116,2013.36 1106,2023.36 966,2023.36
  region net VCC_12V: 956,1623.36 956,1473.36 966,1463.36 1106,1463.36 1116,1473.36 1116,1623.36 1106,1633.36 966,1633.36
  region net GND: 956,1668.36 966,1658.36 1106,1658.36 1116,1668.36 1116,1818.36 1106,1828.36 966,1828.36 956,1818.36
  region net GND: 956,1278.36 966,1268.36 1106,1268.36 1116,1278.36 1116,1428.36 1106,1438.36 966,1438.36 956,1428.36
  region net VCC_12V: 956,1233.36 956,1083.36 966,1073.36 1106,1073.36 1116,1083.36 1116,1233.36 1106,1243.36 966,1243.36
  region net GND: 956,888.36 966,878.36 1106,878.36 1116,888.36 1116,1038.36 1106,1048.36 966,1048.36 956,1038.36
  region net VCC_5V: 631,2328.36 631,2288.36 831,2288.36 836,2293.36 836,2328.36 831,2333.36 636,2333.36
  region net VCC_3V3: 346,2293.36 346,2128.36 351,2123.36 496,2123.36 501,2128.36 501,2293.36 491,2303.36 356,2303.36
  region net VCC_5V: 776,1803.36 776,1728.36 781,1723.36 891,1723.36 896,1728.36 896,1803.36 891,1808.36 781,1808.36
  region net NetC45_1: 436,1868.36 436,1943.36 456,1963.36 831,1963.36 856,1938.36 856,1868.36 846,1858.36 776,1858.36 766,1868.36 766,1888.36 756,1898.36 541,1898.36 531,1888.36 531,1868.36
  region net GND: 631,2138.36 616,2123.36 616,2028.36 621,2023.36 731,2023.36 741,2033.36 741,2123.36 726,2138.36
  region net VCC_12V: 221,1853.36 221,1663.36 231,1653.36 331,1653.36 341,1663.36 341,1853.36 331,1863.36 231,1863.36
  region net NetC43_2: 501,1078.36 496,1073.36 496,1028.36 501,1023.36 616,1023.36 621,1028.36 621,1073.36 616,1078.36
  region net GND: 616,1823.36 616,1713.36 651,1678.36 651,1548.36 676,1523.36 761,1523.36 761,1533.36 776,1548.36 776,1588.36 741,1623.36 741,1823.36
  region net NetC45_1: 421,1833.36 421,1628.36 466,1583.36 551,1583.36 556,1588.36 556,1644.22 546,1668.36 546,1833.36
  region net NetC43_2: 566,1288.36 821,1288.36 836,1303.36 836,1418.36 831,1423.36 556,1423.36 536,1403.36 536,1318.36
  region net GND: 451,1273.36 441,1263.36 441,1173.36 451,1163.36 506,1163.36 511,1168.36 511,1263.36 501,1273.36
  region net BAT3+: 79.16,1963.15 146,1963.36 151,1958.36 151,1808.36 146,1803.36 81,1803.36 76,1808.36 76,1958.36 81,1963.36
  region net NetF1_2: 66,2008.36 81,1993.36 176,1993.36 176,2048.36 156,2068.36 81,2068.36 66,2053.36
  region net BAT3+: 746,613.16 746,668.36 751,673.36 846,673.36 856,663.36 856,620.86 892.4,584.46
  region net BAT3+: 796,603.36 846,553.36 846,363.36 821,338.36 746,338.36 736,328.36 736,264 745,255 847.64,255 871,278.36 886,293.36 1026,293.36 1041,308.36 1041,488.36 1031,498.36 981,498.36 971,508.36 971,588.36 956,603.36
  region net USB_VBUS: 366,1343.36 366,1023.36 371,1018.36 401,1018.36 406,1023.36 406,1343.36 401,1348.36 371,1348.36
  region net GND: 1291,1128.36 1321,1098.36 1356,1098.36 1356,1213.36 1351,1218.36 1296,1218.36 1291,1213.36
  region net VCC_12V: 1381,1153.36 1371,1153.36 1366,1158.36 1366,1228.36 1361,1233.36 1246,1233.36 1241,1228.36 1241,1188.36 1221,1188.36 1221,1243.36 1231,1253.36 1376,1253.36 1386,1243.36 1386,1228.36 1386,1158.36
  region net GND: 1721,453.36 1721,303.36 1706,288.36 1651,288.36 1636,273.36 1636,138.36 1651,123.36 1766,123.36 1786,143.36 1786,453.36 1776,463.36 1731,463.36
  pour cut-out: 2110.57,-28.33 2110.57,-134.14 2400.63,-134.14 2401.43,-134.95 2401.43,-31.61 2398.15,-28.33
  pour cut-out: 2105.57,2581.67 2105.57,2475.86 2395.63,2475.86 2396.43,2475.05 2396.43,2578.39 2393.15,2581.67
  region net USB_VBUS: 380,620 380,545 355,520 355,480 365,470 380,470 390,460 390,375 400,365 435,365 440,370 440,620 435,625 385,625
  region net NetD4_2: 595,340 605,330 640,330 645,335 645,410 660,425 755,425 765,435 765,550 760,555 605,555 595,545
  region net NetL1_1: 565,435 475,435 465,445 465,875 475,885 535,885 535,790 510,765 510,520 520,510 565,510
  region net GND: 475,225 475,180 480,175 675,175 680,180 680,220 675,225
  region net GND: 355,545 355,615 350,620 295,620 290,615 290,545 255,510 255,480 260,475 285,475
  region net VCC_12V: 860,1195 860,955 865,950 895,950 900,955 900,965 900,1195 895,1200 865,1200
Bottom Layer:
  rectangle net M2_POUT_A2: 2111,1308.36 2136,1328.36
  rectangle net M2_POUT_A2: 1176,1613.36 1196,1638.36
  rectangle net M2_POUT_A3: 1411,1543.36 1431,1643.36
  rectangle net M3_POUT_A3: 1176,1228.36 1196,1253.36
  rectangle net M3_POUT_A3: 1831,953.36 1851,978.36
  rectangle net M2_POUT_A3: 2111,1343.36 2136,1363.36
  region net NetC43_2: 501,1078.36 496,1073.36 496,1028.36 501,1023.36 616,1023.36 621,1028.36 621,1073.36 616,1078.36
  region net NetC43_2: 636,1423.36 626,1413.36 626,1303.36 636,1293.36 716,1293.36 726,1303.36 726,1413.36 716,1423.36
  pour cut-out: 2110.57,-28.33 2110.57,-134.14 2400.63,-134.14 2401.43,-134.95 2401.43,-31.61 2398.15,-28.33
  pour cut-out: 2103.42,2583.36 2103.42,2477.55 2393.48,2477.55 2394.28,2476.75 2394.28,2580.08 2391,2583.36
VCC (plane layer: these items are gaps in the copper):
  lines w5: 0,1425 395,1425 425,1395 425,770 690,505 690,-157.48 ; 0,1995 200,1995 200,1555 215,1540 225,1540 495,1540 595,1440 595,1204.68 ; 175,1995 576,1995 ; 594.68,1204.68 1201,598.36 ; 1201,78.99 1201,598.36 ; 986,2128.36 986,2338.36 951,2373.36 616,2373.36 576,2333.36 576,1719 611.64,1683.36 886,1683.36 936,1733.36 936,2078.36 986,2128.36 ; 986,2128.36 1706,2128.36 1786,2048.36 1786,653.36 1731,598.36 1201,598.36

## Silkscreen, mask and mechanical layers (free items; w line width, h text height)
Top Overlay:
  text "3V3" at 2651,2478.36 h23.62 r180
  text "TXD" at 2651,2428.36 h23.62 r180
  text "5V" at 686,2403.36 h23.62 r90
  text "RXD" at 2651,2378.36 h23.62 r180
  text "3V3" at 436,2373.36 h23.62 r90
  text "GND" at 2651,2328.36 h23.62 r180
  text "EN" at 2651,2278.36 h23.62 r180
  text "IO0" at 2651,2228.36 h23.62 r180
  text "KEY2" at 1290,2105 h39.37 r180
  text "KEY1" at 1645,2105 h39.37 r180
  text "MCU1" at 2405,2090 h39.37 r90
  text "CAN_L" at 931,2043.36 h23.62 r90
  text "CAN_H" at 1096,2043.36 h23.62 r90
  text "12V" at 375,1975 h23.62 r90
  text "SDA" at 2016,1903.36 h23.62 r90
  text "SCL" at 2086,1903.36 h23.62 r90
  text "INT" at 2156,1903.36 h23.62 r90
  text "VBUS" at 340,1640 h23.62 r90
  text "MOTOR1" at 2071,1568.36 h39.37 r90
  text "ON" at 325,1435 h39.37 r90
  text "MOTOR2" at 2076,1113.36 h39.37 r90
  text "JLCJLCJLCJLC" at 1272.06,1053.36 h60
  text "GND" at 1601,838.36 h23.62 r90
  text "BAT+" at 990,790 h23.62 r90
  text "MOTOR3" at 2071,673.36 h39.37 r90
  text "+" at 1000,465 h50
  text "-" at 1070,465 h50
  text "+" at 1325,465 h50
  text "-" at 1400,465 h50
  text "+" at 1650,465 h50
  text "-" at 1730,465 h50
  text "3V3" at 2641,258.36 h23.62 r180
  text "MCU2" at 2410,220 h39.37 r90
  text "TXD" at 2641,208.36 h23.62 r180
  text "RXD" at 2641,158.36 h23.62 r180
  text "Cubli_Mini" at 150,115 h90 r90
  text "GND" at 2641,108.36 h23.62 r180
  text "EN" at 2641,58.36 h23.62 r180
  text "IO0" at 2641,8.36 h23.62 r180
Mechanical 1:
  lines w3.15: 0,927.48 0,2440.95 cw(c157.48,2440.95) 157.48,2598.43 2598.43,2598.43 cw(c2598.43,2440.95) 2755.91,2440.95 2755.91,2195.05 cw(c2637.8,2195.05) 2696.85,2092.76 2460.63,1956.38 ccw(c2519.69,1854.09) 2401.58,1854.09 2401.58,1843.65 2401.58,612.52 ccw(c2519.69,612.52) 2460.63,510.24 2696.85,373.85 cw(c2637.8,271.57) 2755.91,271.57 2755.91,0 cw(c2598.43,0) 2598.43,-157.48 2082.53,-157.48 cw(c2082.53,-39.37) 1980.24,-98.43 1912.05,19.69 ccw(c1809.76,-39.37) 1809.76,78.74 946.14,78.74 ccw(c946.14,-39.37) 843.86,19.69 775.67,-98.43 cw(c673.38,-39.37) 709.12,-151.94 709.12,-157.48 421.72,-157.48 157.48,-157.48 cw(c157.48,0) 0,0 0,930.69
Mechanical 2:
  drawing of 9228 lines, arcs and shapes, not listed